# Altium PCB WP75xx 2 no usb_v.PcbDoc (part 2 of 2)
Units mil, origin at the board's own origin, x right, y up, seen from the top; angles counter-clockwise.
Board outline 1968.5 x 2755.91 mil, 2 copper layers (Top, Bottom); 120 components, 122 nets, 636 pads, 143 vias.
Unrouted connection lines stored in the file: 34.
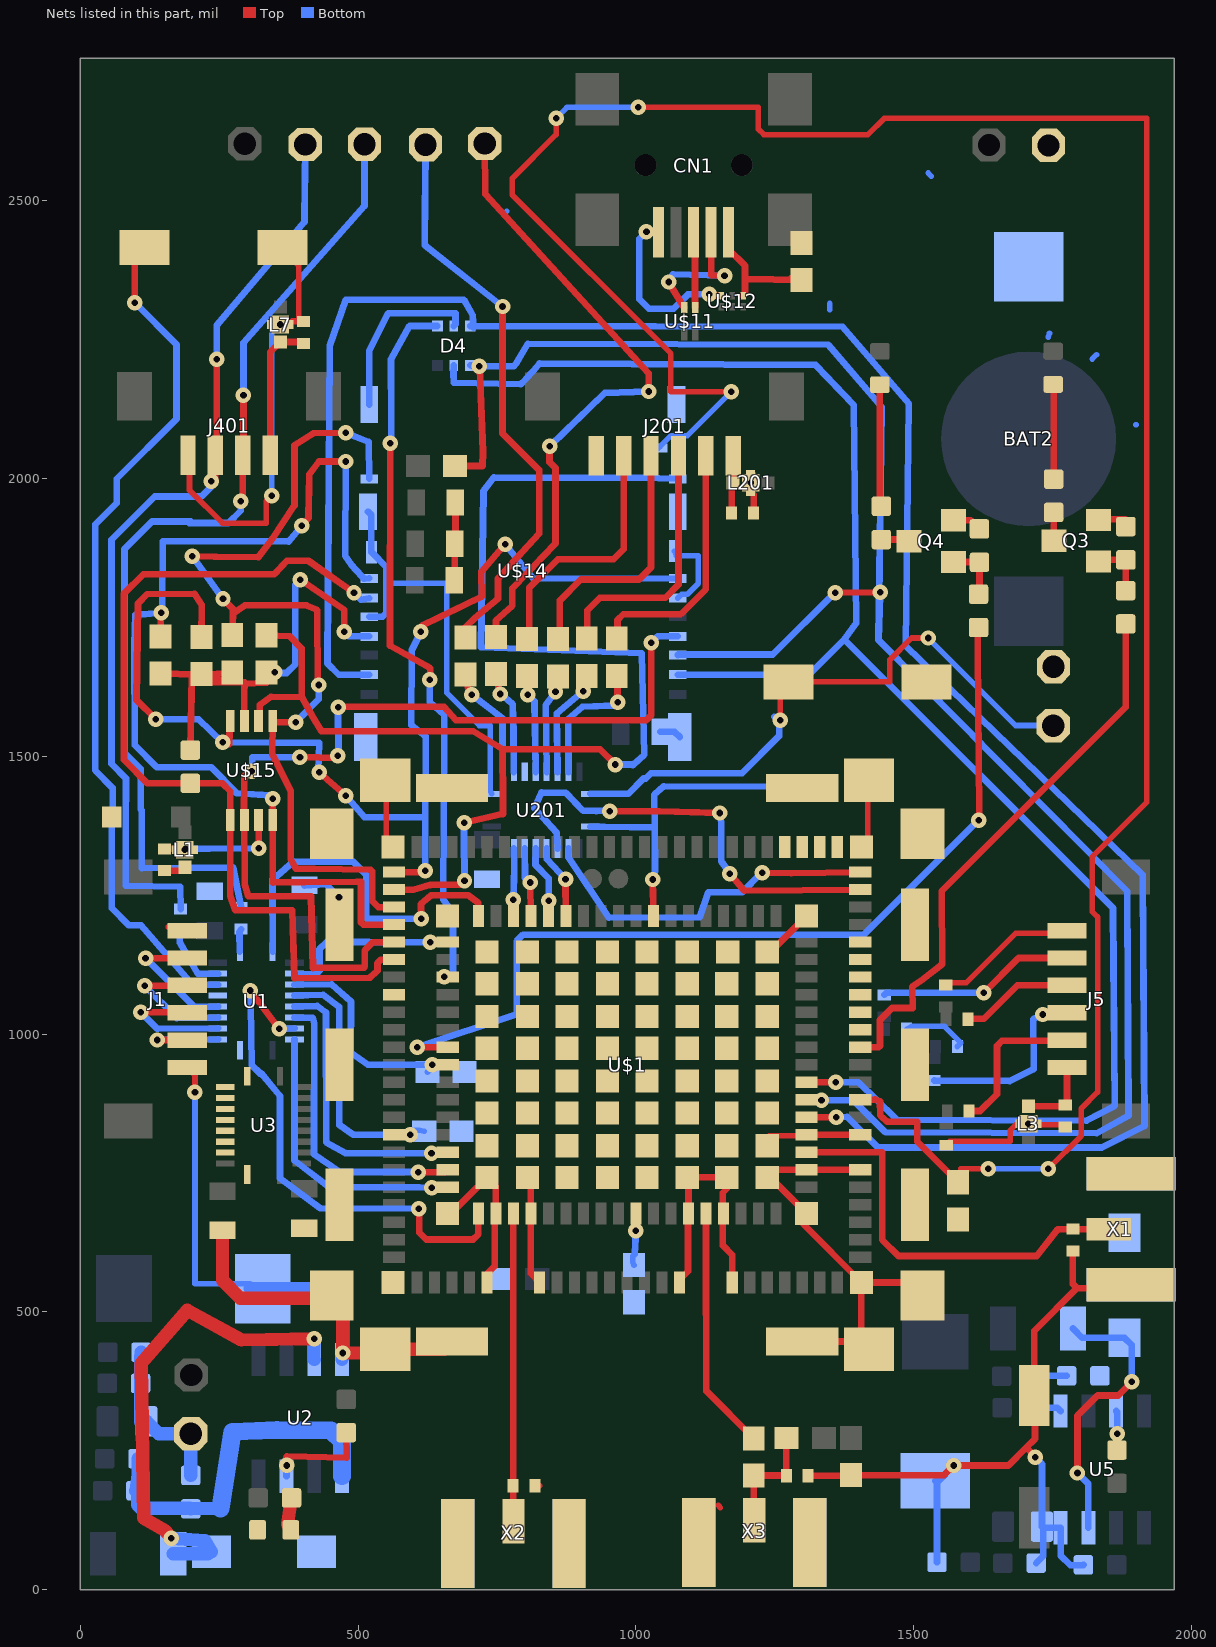
[diagram p2: the nets of this part, all layers, seen from the top]

## Via types
v1: diameter 27.81/27.81 (per signal layer), hole 11.81, Top to Bottom, 143 vias

## Nets (pads, with @x,y where several pads share a name; then routed paths per layer and width w, separated by ;. In a path a pad name is that pad's centre, name@x,y a point inside that pad or via, vN(x,y) a via of type N, cw(c..) or ccw(c..) an arc to the next point about the centre after c; other vN are vias at no path point) (continued)
GND: BAT2.PWR@1 C1.2 C3.2 C5.2 C6.2 C7.2 C8.2 C11.1 C14.- C15.- C16.1 C17.1 C18.1 C19.1 C21.2 C23.1 C24.1 C28.2 C29.2 C31.2 C32.2 C33.1 C34.1 C35.1 C38.- C39.1 C40.1 C42.1 CN1.GND D1.C D2.A D3.C D4.2 D8.A D9.A D10.A D12.A D201.C D401.A J1.6 J5.6 J201.6 J401.4 JP4.1 JP6.1 JP10.1 L1.P$3 L1.P$4 L1.P$5 L3.P$3 L3.P$4 L3.P$5 L7.P$3 L7.P$4 L7.P$5 L201.P$3 L201.P$4 L201.P$5 PWR1.- Q3.2 Q4.2 R4.P$1 R6.P$1 R8.P$1 R10.P$1 R15.2 R17.2 R23.2 R30.2 S1.2 S2.1 U1.11 U2.4 U3.11 U5.4 U201.11 U$1.P$30 U$1.P$32 U$1.P$37 U$1.P$39 U$1.P$48 U$1.P$50 U$1.P$67 U$1.P$68 U$1.P$69 U$1.P$70 U$1.P$111 U$1.P$113 U$1.P$125 U$1.P$128 U$1.P$136 U$1.P$139 U$1.P$167 U$1.P$168 U$1.P$169 U$1.P$170 U$1.P$171 U$1.P$172 U$1.P$173 U$1.P$174 U$1.P$175 U$1.P$176 U$1.P$177 U$1.P$178 U$1.P$179 U$1.P$180 U$1.P$181 U$1.P$182 U$1.P$183 U$1.P$184 U$1.P$185 U$1.P$186 U$1.P$187 U$1.P$188 U$1.P$189 U$1.P$190 U$1.P$191 U$1.P$192 U$1.P$193 U$1.P$194 U$1.P$195 U$1.P$196 U$1.P$197 U$1.P$198 U$1.P$199 U$1.P$200 U$1.P$201 U$1.P$202 U$1.P$203 U$1.P$204 U$1.P$205 U$1.P$206 U$1.P$207 U$1.P$208 U$1.P$209 U$1.P$210 U$1.P$211 U$1.P$212 U$1.P$213 U$1.P$214 U$1.P$215 U$1.P$216 U$1.P$217 U$1.P$218 U$1.P$219 U$1.P$220 U$1.P$221 U$1.P$222 U$1.P$223 U$1.P$224 U$1.P$225 U$1.P$226 U$1.P$227 U$1.P$228 U$1.P$229 U$1.P$230 U$1.P$231 U$1.P$232 U$1.P$233 U$1.P$234 U$1.P$245 U$1.P$246 U$1.P$247 U$1.P$248 U$1.P$249 U$1.P$250 U$1.P$251 U$1.P$252 U$1.P$253 U$1.P$254 U$1.P$255 U$1.P$256 U$1.P$257 U$1.P$258 U$1.P$259 U$1.P$260 U$1.P$261 U$1.P$262 U$12.P$4 U$14.C4 U$14.G1 U$14.G2 U$14.G3 U$14.G4 U$14.G5 U$14.G6 U$14.G7 U$14.G8 U$14.T6 U$15.3 X1.GND@1 X1.GND@2 X1.GND@3 X1.GND@4 X2.GND@1 X2.GND@2 X2.GND@3 X2.GND@4 X3.GND@1 X3.GND@2 X3.GND@3 X3.GND@4 | length 9267.4
  Top w10: L1.P$5@186.71,1332.72 187.01,1328.74 L1.P$5@188.54,1331.69 ; J1.6@192.91,939.96 196.85,935.04 206.69,925.2 v1(206.69,895.67) ; J401.4@194.21,2041.26 196.85,2037.4 196.85,1978.35 255.91,1919.29 334.65,1919.29 334.65,1958.66 v1(344.49,1968.5) ; L7.P$3@344.53,2276.61 344.49,2273.62 354.33,2273.62 L7.P$5@360.28,2276.61 364.17,2273.62 374.02,2273.62 L7.P$4@376.03,2276.61 ; S2.1@364.02,2415.32 364.17,2411.42 393.7,2381.89 393.7,2283.46 D401.A@401.89,2282.17 ; U$1.P$257@549.21,1456.69 551.18,1456.69 551.18,1348.43 U$1.P$167@562.99,1336.61 ; D3.C@818.51,187.36 D3.C@826.77,187.01 ; 1148.51,152.06 1151.57,147.64 ; L201.P$5@1206.34,1991.65 1210.63,1998.03 1210.63,2007.87 L201.P$3@1206.34,2007.4 ; U$1.P$186@1236.22,799.21 1240.16,807.09 1240.16,816.93 1299.21,816.93 U$1.P$30@1307.08,818.9 ; U$1.P$168@1405.51,1336.61 1417.32,1348.43 1417.32,1456.69 U$1.P$256@1419.29,1456.69 ; R8.P$1@1557.36,1088.15 1564.96,1092.52 1594.49,1092.52 1683.07,1181.1 1771.65,1181.1 J5.6@1775.59,1186.02 ; R10.P$1@1558.35,799.96 1564.96,807.09 1673.23,807.09 1673.23,826.77 1683.07,836.61 L3.P$4@1690.43,838.74 1692.91,836.61 1702.76,836.61 L3.P$5@1706.18,838.74 1712.6,836.61 L3.P$3@1722.44,836.61 ; L3.P$3@1721.93,838.74 L3.P$3@1722.44,836.61 ; D9.A@1772.32,833.11 1771.65,836.61 L3.P$3@1722.44,836.61
  Top w12: D10.A@151.61,1333.31 189.84,1332.95 186.71,1332.72 L1.P$3@172.79,1331.69 ; v1(189.61,1332.95) 182.36,1333.7 L1.P$4@204.29,1331.69 ; J401.4@194.21,2041.26 J401.4@196.26,2043.31 ; U$15.3@321.14,1385.2 321.14,1334.29 v1(321.26,1334.17) ; L7.P$4@376.03,2276.61 381.57,2282.17 D401.A@401.89,2282.17 ; v1(465.75,1246.06) 465.75,1197.64 U$1.P$252@466.53,1196.85 ; U$1.P$70@661.42,677.16 667.32,677.17 U$1.P$178@732.28,742.12 748.03,726.38 U$1.P$50@748.03,677.16 746.06,675.2 746.06,582.68 732.28,568.9 U$1.P$139@732.28,553.15 ; C6.2@673.07,1816.46 674.13,1817.52 C5.2@674.13,1882.05 675.35,1883.27 C7.2@675.35,1956.38 ; U$1.P$179@805.12,742.12 811.02,736.22 U$1.P$48@811.02,677.16 811.02,568.9 U$1.P$136@826.77,553.15 ; v1(1018.98,2443.46) 1040.04,2443.46 CN1.GND@1040.79,2442.72 ; U$1.P$128@1078.74,553.15 1078.74,558.27 1093.7,573.23 1093.7,676.38 U$1.P$39@1094.49,677.16 1094.49,740.16 U$1.P$183@1092.52,742.12 U$1.P$184@1163.38,742.12 1163.39,721.65 1156.3,714.57 1156.3,678.35 U$1.P$37@1157.48,677.16 1156.42,676.1 1156.42,619.53 1173.23,602.72 U$1.P$125@1173.23,553.15 ; v1(1131.77,2330.75) 1134.45,2328.07 U$12.P$4@1153.46,2328.07 ; L201.P$4@1206.34,1975.9 1211.69,1970.55 D8.A@1211.7,1937.32 ; U$1.P$192@1236.22,1147.64 1242.13,1147.64 U$1.P$68@1307.08,1212.6 ; U$1.P$248@1299.21,446.85 U$1.P$261@1405.51,446.85 ; U$1.P$30@1307.08,818.9 U$1.P$111@1403.54,818.9 ; D201.C@1309.97,205.32 1385.51,205.32 C3.2@1386.73,206.54 1554.37,206.54 v1(1571.65,223.82) 1670.08,223.82 1702.17,255.91 ; U$1.P$113@1403.54,755.9 U$1.P$32@1307.08,755.9 1250,755.91 U$1.P$185@1236.22,742.12 1242.13,742.13 U$1.P$69@1307.08,677.16 1301.97,672.05 1301.97,657.09 1405.51,553.54 U$1.P$169@1405.51,553.15 ; U$1.P$261@1419.29,433.07 U$1.P$261@1405.51,446.85 ; U$1.P$245@1501.97,1196.85 U$1.P$245@1512.8,1186.02 ; U$1.P$262@1515.75,529.53 1492.13,553.15 U$1.P$169@1405.51,553.15 ; Q4.2@1571.1,1924.25 1602.6,1924.25 R17.2@1618.07,1908.78 ; v1(1718.46,238.31) 1718.46,239.61 1702.17,255.91 ; D1.C@1786.14,609.56 1786.14,550.43 1793.62,542.95 ; Q3.2@1831.81,1925.04 1833.19,1926.42 1880.39,1926.42 1881.46,1925.35 R15.2@1881.46,1913.11 ; 1890.87,548.9 1884.92,542.95 1793.62,542.95 ; U$1.P$261@1405.51,446.85 U$1.P$169@1405.51,553.15 ; 1702.17,255.91 1717.95,271.69 1717.95,348.46 C14.-@1716.69,349.72 1716.69,466.02 1793.62,542.95
  Top w24: C32.2@256.3,646.65 256.3,556.69 288.33,524.67 U$1.P$259@457.62,524.67 ; U$1.P$259@452.75,529.53 U$1.P$259@457.62,524.67 ; U$1.P$249@669.29,446.85 655.51,433.07 U$1.P$260@549.21,433.07 542.36,426.22 v1(472.64,426.22) 472.64,509.65 U$1.P$259@457.62,524.67
  Bottom w10: v1(206.69,895.67) 206.69,551.18 305.12,551.18 C15.-@328.94,542.13 ; v1(344.49,1968.5) 344.49,2263.78 354.33,2273.62 L7.P$5@360.28,2276.61 ; 551.06,1811.02 659.45,1811.02 659.45,1614.17 718.5,1555.12 738.19,1555.12 738.19,1437.01 U201.11@740.94,1432.24 ; 766.1,2478.54 767.72,2480.32 ; U$14.G2@1069.29,1869.02 1072.83,1860.24 1112.2,1860.24 1112.2,1811.02 1092.52,1791.34 1082.68,1791.34 U$14.T6@1075.19,1784.37 ; 1348.43,2303.15 1348.45,2314.38 ; R6.P$1@1487.01,1008.66 1496.06,1013.78 1555.12,1013.78 1584.65,984.25 R4.P$1@1578.43,977.64 ; 1525.59,2549.21 1531.61,2543.19 ; 1742.13,2253.94 1744.06,2261.14 ; 1820.87,2214.57 1828.64,2222.34 ; 1899.61,2096.46 1899.94,2096.38
  Bottom w12: v1(189.61,1332.95) 231.85,1333.43 v1(321.26,1334.17) ; C28.2@403.82,1267.4 442.36,1269.45 v1(465.75,1246.06) ; U$14.G6@518.11,1939.89 524.02,1933.98 U$14.G7@524.01,1867.05 551.06,1840 551.06,1811.02 551.06,1757.87 544.09,1750.91 U$14.C4@520.07,1750.91 ; U$14.G5@520.07,2132.8 520.08,2228.98 554.25,2297.05 675.43,2297.05 675.43,2277.09 D4.2@672.36,2274.01 ; v1(1018.98,2443.46) 1006.02,2430.51 1006.02,2322.24 1023.11,2305.16 1068.03,2305.16 1093.62,2330.75 v1(1131.77,2330.75) ; C8.2@1043.54,1543.78 1069.72,1543.78 U$14.G1@1079.13,1534.37 ; C42.1@1541.65,49.76 1541.65,192.87 C38.-@1538.27,196.26 1544.09,196.26 v1(1571.65,223.82) ; v1(1718.46,238.31) 1730.55,226.22 C39.1@1730.55,113.82 C39.1@1732.56,111.81 ; C40.1@1720.12,48.15 1732.56,60.59 C39.1@1732.56,111.81 ; C18.1@1805.12,45 1804.41,44.29 1781.61,44.29 1764.02,61.89 U5.4@1764.02,111.81 C39.1@1732.56,111.81
  Bottom w24: C24.1@112.01,425.39 C24.1@109.8,427.6 108.78,418.62 C17.1@108.78,371.46 108.78,302.4 C16.1@119.33,303.19 141.38,281.14 JP6.1@199.17,281.14 199.06,281.02 R23.2@199.06,205.91 ; C15.-@305.79,542.13 C15.-@328.94,542.13 427.8,542.13 472.64,497.28 v1(472.64,426.22) 471.26,424.84 U2.4@471.26,414.41
GPS_ANT: C2.1 U$1.P$38 | length 440.2
  Top w12: U$1.P$38@1125.98,677.16 1125.98,496.06 1126.77,495.28 1126.77,357.91 C2.1@1212.05,272.63
GPS_SYNC: C23.2 U$1.P$42 | length 95
  Top w12: v1(1000,646.46) U$1.P$42@1000,677.16
  Bottom w10: C23.2@996.57,584.44 994.09,590.55 994.09,600.39 C23.2@997.87,603.62
  Bottom w12: C23.2@997.87,603.62 v1(1000,646.46)
MAIN_ANT: D3.A U$1.P$49 X2.P | length 555
  Top w12: 779.13,504.33 779.53,504.72 ; X2.P@779.53,123.11 779.13,123.5 D3.A@779.13,187.36 779.53,187.76 779.53,504.72 ; U$1.P$49@779.53,677.16 779.53,504.72
N$1: D9.C J5.1 L3.P$2 | length 135.9
  Top w12: L3.P$2@1706.18,870.24 1770.08,870.24 D9.C@1772.32,872.49 1775.59,875.75 J5.1@1775.59,939.96
N$3: U$1.P$159
N$4: U3.20
N$5: CN1.D+ U$11.3 | length 136.5
  Top w12: CN1.D+@1103.78,2442.72 1106.42,2440.08 U$11.3@1106.41,2307.29
N$6: D5.A R24.2 RPUD0.2 RPUD1.2 RPUD2.2 RPUD3.2 U$14.T4 U$15.7 | length 977.6
  Top w12: RPUD3.2@144.88,1648.71 208.7,1647.05 RPUD0.2@218.39,1647.6 223.86,1635.28 RPUD0.2@212.2,1633.35 ; R24.2@198.43,1510.98 201.38,1646.42 RPUD0.2@212.2,1633.35 ; RPUD2.2@273.82,1650.71 226.38,1646.38 RPUD2.2@262.95,1633.04 ; U$15.7@295.56,1563.35 295.55,1610.83 ; v1(350.28,1651.3) 347.91,1648.94 RPUD1.2@335.59,1650.6 335.35,1631.89 295.39,1630.43 295.39,1610.98 295.55,1610.83 ; v1(396.46,1817.13) 475.24,1763.31 v1(475.24,1723.94) ; RPUD0.2@212.2,1633.35 RPUD2.2@262.95,1633.04 ; RPUD2.2@262.95,1633.04 296.42,1632.83 295.55,1610.83
  Bottom w12: v1@350.28,1659.69 v1(350.28,1651.3) 351.85,1649.72 371.54,1649.72 387.28,1665.47 387.28,1807.95 389.96,1813.82 v1(396.46,1817.13) ; v1(475.24,1723.94) 483.7,1715.47 U$14.T4@520.07,1715.48
N$7: C2.2 D201.A L5.2 X3.P | length 207.2
  Top w12: X3.P@1213.03,125.67 1212.05,126.65 C2.2@1212.05,205.71 1270.2,205.71 D201.A@1270.59,205.32 1270.59,272.68 L5.2@1271.11,273.19
N$9: U3.18
N$11: J401.2 JP12.1 R404.P$2 | length 1813.5
  Top w12: v1(288.98,1958.9) 292.64,1962.56 J401.2@292.64,2041.26 293.94,2042.56 v1(293.94,2149.21)
  Bottom w12: 198.9,1922.17 193.74,1922.17 ; v1(288.98,1958.9) 288.98,1941.46 267.05,1919.53 196.38,1919.53 193.74,1922.17 ; R404.P$2@289.65,1228.19 275.08,1299.65 110.67,1298.5 110.67,1402.52 108.98,1404.21 108.98,1477.01 79.76,1506.22 79.76,1872.6 129.33,1922.17 193.74,1922.17 ; v1(293.94,2149.21) 293.94,2243.86 511.77,2489.96 JP12.1@511.77,2601.02
N$12: U3.17
N$13: R24.1 U$1.P$161 U$14.T3 U$15.1 | length 1643.9
  Top w12: v1(492.76,1793.9) 411.42,1851.1 390.24,1851.85 371.89,1851.61 349.57,1827.72 113.58,1827.05 78.9,1792.36 78.9,1493.46 121.38,1450.98 R24.1@198.43,1450.98 256.06,1450.98 270.16,1436.89 270.16,1385.39 U$15.1@269.96,1385.2 270.35,1249.06 279.21,1222.6 381.73,1222.6 385.71,1100.51 521.5,1101.46 534.92,1113.74 534.92,1127.6 541.18,1133.86 U$1.P$161@564.96,1133.86
  Bottom w12: v1(492.76,1793.9) 505,1781.65 U$14.T3@520.07,1784.37
N$14: U$1.P$162 U$14.T5 U$15.2 | length 1701.7
  Top w12: v1(309.13,1472.87) 300.87,1470.79 295.35,1465.28 294.88,1385.87 U$15.2@295.56,1385.2 296.06,1269.13 302.48,1247.87 415.35,1247.87 419.02,1118.98 510.71,1119.45 511.85,1122.4 511.85,1150.08 527.13,1165.35 U$1.P$162@564.96,1165.35 ; v1(395.59,1498.35) 464.17,1496.69 v1(463.35,1500.79) ; v1(464.09,1588.03) 464.09,1589.41 654.84,1588.98 676.18,1564.76 1018.78,1564.76 1027.83,1573.82 v1(1027.83,1704.33)
  Bottom w12: v1(309.13,1472.87) 309.8,1498.31 v1(395.59,1498.35) ; v1(463.35,1500.79) 460.67,1497.01 464.88,1505.75 464.09,1577.44 v1(464.09,1588.03) ; v1(1027.83,1704.33) 1038.98,1715.47 U$14.T5@1075.19,1715.48
N$15: RPUD3.1 U$1.P$163 U$14.T2 U$15.4 | length 1856.2
  Top w12: RPUD3.1@144.88,1715.63 144.88,1741.73 v1(146.22,1758.11) ; v1(346.81,1423.7) 347.68,1386.14 U$15.4@346.74,1385.2 346.34,1272.8 375.94,1272.95 403.5,1273.03 497.87,1274.02 505.51,1274.06 505.51,1200.83 509.49,1196.85 U$1.P$163@564.96,1196.85 ; v1(399.06,1914.33) 410.83,1928.54 412.2,2006.93 429.88,2030.08 v1(478.15,2030.12)
  Bottom w12: v1(346.81,1423.7) 344.33,1429.21 282.2,1433.07 235.43,1480.28 137.8,1480.28 98.27,1520.04 97.2,1701.02 99.21,1753.9 v1(146.22,1758.11) 147.64,1759.02 148.5,1886.57 375.2,1886.06 v1(399.06,1914.33) ; v1(478.15,2030.12) 477.68,2023.66 477.2,1860.47 487.56,1844.8 506.93,1823.31 510.83,1819.41 U$14.T2@520.07,1819.81
N$16: RPUD2.1 U$1.P$164 U$14.T1 U$15.5 | length 1651.8
  Top w12: v1(201.5,1859.8) 241.42,1858.86 244.65,1858.94 320.87,1857.95 345.39,1890.83 385.63,1950.75 385.63,2059.17 419.88,2081.1 v1(477.72,2082.01) ; v1@258.91,1781.01 v1(257.09,1782.83) 275.2,1764.72 275.2,1756.69 ; RPUD2.1@273.82,1717.63 275.2,1756.69 ; v1(387.68,1560.83) 349.25,1560.83 U$15.5@346.74,1563.35 345.87,1503.62 379.06,1435.79 378.94,1314.53 388.58,1297.44 420.83,1297.48 522.76,1295.39 525.55,1292.6 525.55,1239.33 536.54,1228.35 U$1.P$164@564.96,1228.35 ; v1(429.17,1628.07) 427.52,1629.72 426.81,1762.72 407.6,1771.3 296.26,1771.02 275.2,1756.69
  Bottom w12: v1(201.5,1859.8) 251.61,1791.14 v1(257.09,1782.83) ; v1(387.68,1560.83) 429.17,1602.32 v1(429.17,1628.07) ; v1(477.72,2082.01) 519.17,2065.16 U$14.T1@520.07,1998.94
N$17: CN1.D- U$11.4 | length 263.8
  Top w12: v1(1058.7,2353.07) 1085.67,2308.35 U$11.4@1086.73,2307.29 ; CN1.D-@1135.28,2442.72 1135.32,2365.39 v1(1159.41,2364.49)
  Bottom w12: v1(1058.7,2353.07) 1066.65,2366.73 v1(1159.41,2364.49)
N$18: U3.16
N$19: RPUD1.1 U$1.P$165 U$14.T8 U$15.6 | length 2495.9
  Top w12: U$15.6@321.14,1563.35 322.8,1565 323.5,1592.17 343.43,1607.17 399.21,1606.18 ; RPUD1.1@335.59,1717.52 376.65,1715.87 398.5,1694.02 398.5,1606.89 399.21,1606.18 ; U$1.P$165@564.96,1259.84 599.61,1259.84 629.92,1268.35 694.49,1269.25 v1(691.61,1275.59) ; v1(691.06,1380.08) 760.79,1395.98 760.79,1414.49 760.28,1512.4 ; v1(962.95,1484.96) 935.51,1512.4 760.28,1512.4 ; 399.21,1606.18 418.98,1569.92 434.13,1544.92 707.17,1544.76 760.28,1512.4
  Bottom w12: v1(691.06,1380.08) 690.55,1356.81 v1(691.61,1275.59) ; v1(962.95,1484.96) 995.59,1484.96 ; 994.09,1483.46 995.59,1484.96 ; U$14.T8@1075.19,1998.94 1041.02,1999.76 1026.46,2000.75 744.37,2001.42 725.71,1976.65 721.34,1695.91 1010.75,1685.04 1014.69,1502.48 995.59,1484.96
N$20: RPUD0.1 U$1.P$166 U$14.T7 U$15.8 | length 2153.9
  Top w12: v1(136.3,1566.42) 101.61,1601.1 104.09,1774.8 120.83,1791.54 205.83,1792.24 218.94,1772.2 RPUD0.1@218.39,1714.52 ; v1(256.73,1524.84) 267.91,1521.26 U$15.8@269.96,1563.35 ; v1(430.32,1470.67) 444.88,1457.91 v1(478.15,1429.17) ; U$1.P$166@564.96,1291.34 618.39,1291.34 v1(621.22,1294.17) ; v1(612.99,1723.82) 615.59,1735.43 722.83,1787.17 722.01,1831.54 v1(764.65,1881.02)
  Bottom w12: v1(136.3,1566.42) 213.03,1566.42 v1(256.73,1524.84) 430.35,1523.7 428.23,1473.07 436.38,1467.52 v1(430.32,1470.67) ; v1(478.15,1429.17) 511.57,1390.28 616.02,1390.28 621.22,1387.28 ; v1(612.99,1723.82) 596.65,1690.39 595.67,1556.1 622.01,1535.35 621.22,1387.28 ; v1(621.22,1294.17) 621.22,1387.28 ; v1(764.65,1881.02) 815.71,1819.33 U$14.T7@1075.19,1819.81
N$21: U3.15
N$22: U3.14
N$23: D10.C J1.1 L1.P$2 | length 76.2
  Top w12: D10.C@151.61,1293.93 183.82,1293.94 L1.P$2@188.54,1300.19 ; J1.1@159.61,1192.72 166.46,1185.87 192.76,1185.87 J1.1@192.91,1186.02
N$25: U3.13
N$27: U3.12
N$28: J5.5 R5.P$2 | length 356.3
  Top w12: v1(1625.87,1074.21) 1688.46,1136.81 J5.5@1775.59,1136.81
  Bottom w12: R5.P$2@1446.77,1070.6 1450.39,1074.21 v1(1625.87,1074.21)
N$29: J5.3 R3.P$2 | length 342.2
  Top w12: v1(1732.17,1035.2) 1777.83,1036.14 J5.3@1775.59,1038.38
  Bottom w12: R3.P$2@1536.5,916.46 1672.44,915.51 1715.83,937.17 1714.88,1026.93 v1(1732.17,1035.2)
N$30: J5.4 R7.P$2 | length 203.7
  Top w12: R7.P$2@1597.09,1026.73 1597.72,1027.36 1625.87,1027.36 1686.1,1087.6 J5.4@1775.59,1087.6
N$31: U$1.P$92
N$32: U$1.P$93
N$33: U$1.P$94
N$34: U$1.P$95
N$35: U$1.P$100
N$36: U$1.P$101
N$37: D8.C J201.1 L201.P$2 | length 104.2
  Top w12: D8.C@1172.32,1937.32 1172.32,1989.13 L201.P$2@1174.84,1991.65 1174.84,2040.43 J201.1@1174.88,2040.48
N$38: Q3.3 R20.2 | length 50.9
  Top w12: R20.2@1751.5,1938.46 1751.81,1938.15 Q3.3@1751.81,1887.64
N$39: U$1.P$102
N$40: R22.1 U201.16 | length 180.9
  Top w12: v1(855.28,1615.63) 855.87,1642.68 R22.1@859.88,1643.54
  Bottom w12: U201.16@839.37,1471.62 837.76,1591.81 v1(855.28,1615.63)
N$41: R12.1 U201.17 | length 199.4
  Top w12: v1(905.51,1617.05) 907.09,1643.98 R12.1@911.54,1644.49
  Bottom w12: U201.17@859.06,1471.62 857.44,1576.85 v1(905.51,1617.05)
N$42: U$1.P$103
N$43: R13.1 U201.18 | length 242.6
  Top w12: R13.1@965.43,1644.45 966.97,1642.91 v1(966.97,1596.93)
  Bottom w12: U201.18@878.74,1471.62 878.07,1566.57 903.7,1588.74 960.98,1591.26 v1(966.97,1596.93)
N$44: U$1.P$104
N$45: U$1.P$105
N$46: J5.2 R9.P$2 | length 280.1
  Top w12: R9.P$2@1599.45,861.5 1619.33,861.5 1649.49,891.65 1649.49,978.86 1658.62,987.99 1774.41,987.99 J5.2@1775.59,989.17
N$47: R14.1 U201.15 | length 179.3
  Top w12: R14.1@803.94,1643.9 806.81,1642.83 v1(805.55,1610.55)
  Bottom w12: v1(805.55,1610.55) 817.44,1598.66 U201.15@819.69,1471.62
N$48: U1.6 U$1.P$54 | length 518.8
  Top w12: v1(632.2,785.55) 658.66,784.65 U$1.P$54@661.42,787.4
  Bottom w12: U1.6@385.79,1049.61 426.73,1050.55 442.32,1038.78 442.8,805.2 477.24,786.14 602.76,785.83 v1(632.2,785.55)
N$49: U1.7 U$1.P$53 | length 531.4
  Top w12: v1(608.19,751.42) 656.69,751.18 U$1.P$53@661.42,755.9
  Bottom w12: U1.7@385.79,1029.92 418.54,1029.65 421.1,1019.45 420.83,783.78 466.93,751.97 603.94,751.97 v1(608.19,751.42)
N$50: U1.9 U$1.P$52 | length 510.4
  Top w12: v1(632.56,723.62) 660.63,723.62 U$1.P$52@661.42,724.41
  Bottom w12: U1.9@385.79,990.55 385.67,772.6 448.43,724.41 610.24,724.41 v1(632.56,723.62)
N$51: U1.8 U$1.P$51 | length 957.2
  Top w12: v1(305.98,1078.35) v1(358.35,1009.29) ; v1(609.45,685.83) 610.24,685.04 610.24,642.91 622.83,630.32 707.09,630.32 716.54,639.76 U$1.P$51@716.53,677.16
  Bottom w12: v1(305.98,1078.35) 307.17,1052.36 309.09,943.82 ; 323.5,929.84 309.09,943.82 ; v1(358.35,1009.29) 372.2,1009.29 U1.8@385.79,1010.24 ; v1(609.45,685.83) 432.05,686.38 359.72,740.55 359.72,888.58 325.98,929.53 323.27,928.82 309.09,943.82
N$52: U201.8 U$1.P$3 | length 136.2
  Top w12: U$1.P$3@779.53,1212.6 779.84,1248.78 v1(779.61,1241.3)
  Bottom w12: v1(779.61,1241.3) 780.91,1300.98 U201.8@780.32,1333.82
N$53: J1.5 U1.12 | length 163.1
  Top w12: v1(138.98,989.37) 192.72,989.37 J1.5@192.91,989.17
  Bottom w12: v1(138.98,989.37) 139.21,989.61 U1.12@247.99,990.55
N$54: S2.2 U1.17 | length 1553.5
  Top w12: v1(98.46,2315.63) 98.46,2397.8 S2.2@115.98,2415.32
  Bottom w12: v1(98.46,2315.63) 173.39,2240.71 173.39,2106.65 65.83,1999.09 65.83,1955.59 27.2,1916.97 27.2,1474.45 58.62,1443.03 58.62,1406.77 57.13,1405.28 57.13,1226.3 87.76,1195.67 109.45,1195.67 202.32,1089.13 U1.17@247.99,1088.98
N$55: U1.16
N$56: J1.4 U1.13 | length 234.5
  Top w12: v1(109.45,1038.98) 192.32,1038.98 J1.4@192.91,1038.38
  Bottom w12: v1(109.45,1038.98) 139.13,1009.29 U1.13@247.99,1010.24
N$57: J1.3 U1.14 | length 232.9
  Top w12: v1(116.14,1087.01) 192.32,1087.01 J1.3@192.91,1087.6
  Bottom w12: v1(116.14,1087.01) 174.17,1028.98 U1.14@247.99,1029.92
N$58: J1.2 U1.15 | length 242
  Top w12: v1(117.72,1136.61) 192.72,1136.61 J1.2@192.91,1136.81
  Bottom w12: v1(117.72,1136.61) 205.67,1048.66 U1.15@247.99,1049.61
N$59: U201.5 U$1.P$6 | length 134.5
  Top w12: v1(873.35,1278.5) 873.74,1212.87 U$1.P$6@874.01,1212.6
  Bottom w12: U201.5@839.37,1333.82 839.76,1314.72 v1(873.35,1278.5)
N$60: U201.6 U$1.P$5 | length 130.9
  Top w12: U$1.P$5@842.52,1212.6 v1(842.8,1239.49)
  Bottom w12: U201.6@819.69,1333.82 819.37,1304.33 842.91,1280.43 843.39,1257.24 v1(842.8,1239.49)
N$61: U201.7 U$1.P$4 | length 125.8
  Top w12: v1(810.04,1272.68) 810.83,1212.8 U$1.P$4@811.02,1212.6
  Bottom w12: U201.7@800,1333.82 800.43,1280.83 v1(810.04,1272.68)
N$62: PWR1.+ R25.1 | length 59.7
  Top w12: PWR1.+@373.11,118.27 PWR1.+@379.21,108.07
  Top w24: PWR1.+@373.11,118.27 R25.1@380.39,165.51
N$63: JP7.1 S1.1 U201.20 | length 1095.3
  Top w10: v1(1259.84,1564.96) 1259.84,1614.17 1269.69,1624.02 S1.1@1274.6,1633.5 1279.53,1633.86 1456.69,1633.86 1456.69,1673.23 1496.06,1712.6 v1(1525.59,1712.6)
  Bottom w10: v1@1257.68,1562.4 v1(1259.84,1564.96) ; v1(1525.59,1712.6) 1683.07,1555.12 1742.13,1555.12 JP7.1@1750.87,1554.84
  Bottom w12: U201.20@918.11,1432.25 986.26,1432.24 1013.74,1459.72 1017.8,1459.72 1027.28,1469.21 1190.71,1469.21 1257.68,1536.18 1257.68,1562.4 v1@1249.13,1570.94
N$65: U201.14
N$67: D6.- R20.1 | length 170.8
  Top w12: D6.-@1750.55,2168.82 1751.5,2167.87 R20.1@1751.5,1998.46
N$68: Q3.1 R11.2 R15.1 | length 106.3
  Top w12: Q3.1@1831.81,1850.24 1834.69,1853.11 R15.1@1881.46,1853.11 1881.06,1852.72 R11.2@1881.06,1797.83
N$69: Q4.3 R21.2 | length 50.8
  Top w12: R21.2@1441.5,1889.69 1488.27,1889.69 Q4.3@1491.1,1886.85
N$70: D7.- R21.1 | length 219.7
  Top w12: D7.-@1438.94,2168.31 1438.94,1952.24 R21.1@1441.5,1949.69
N$71: Q4.1 R16.2 R17.1 | length 105.3
  Top w12: Q4.1@1571.1,1849.45 1617.4,1849.45 R17.1@1618.07,1848.78 1618.07,1793.15 R16.2@1616.38,1791.46
N$72: R19.1 U2.7 | length 202.3
  Top w12: v1(371.54,223.86) 366.02,218.9 371.89,240.24 479.92,237.72 R19.1@478.82,282.83
  Bottom w12: U2.7@371.26,204.41 U2.7@371.26,223.58
  Bottom w24: U2.7@371.26,223.58 v1(371.54,223.86)
N$74: D401.C J401.1 L7.P$2 | length 254.1
  Top w12: J401.1@341.85,2041.26 341.85,2226.69 L7.P$2@360.28,2245.11 399.57,2245.12 D401.C@401.89,2242.79
N$75: D12.C L9.1 U2.3 | length 899.6
  Top w24: v1(163.78,93.07) 153.58,106.02 114.33,129.33 109.8,407.36 192.91,502.95 290.35,449.61 v1(420.91,451.61)
  Bottom w24: v1(163.78,93.07) 224.37,88.31 D12.C@236.34,68.58 230,64.96 L9.1@167.4,64.96 ; v1(420.91,451.61) 420.91,414.76 U2.3@421.26,414.41
N$76: R404.P$1 U1.20 | length 41.5
  Bottom w12: U1.20@287.36,1148.03 286.93,1183.54 R404.P$1@289.65,1188.81
N$77: R405.P$1 U1.18 | length 122
  Bottom w12: R405.P$1@180.83,1185.27 179.53,1183.98 179.53,1164.17 211.65,1108.82 U1.18@247.99,1108.66
N$79: R1.1 U201.13 | length 187.9
  Top w12: R1.1@748.15,1647.48 755.24,1612.76 v1(756.18,1611.81)
  Bottom w12: v1(756.18,1611.81) 757.44,1611.81 778.58,1593.39 779.68,1542.09 U201.13@780.32,1471.62
N$80: R18.1 U201.12 | length 205
  Top w12: R18.1@693.19,1646.58 699.49,1615.83 v1(704.61,1610.71)
  Bottom w12: v1(704.61,1610.71) 759.84,1568.35 U201.12@760.63,1471.62
N$81: JP5.1 R1.2 | length 1168.7
  Top w12: JP5.1@727.83,2602.32 729.21,2511.06 1022.91,2188.62 1022.91,2174.61 v1(1022.76,2156.06) ; R1.2@748.15,1714.4 748.15,1743.86 777.76,1770.32 777.76,1802.17 855.16,1882.72 855.16,2018.43 844.53,2029.06 844.61,2029.13 v1(844.61,2057.24)
  Bottom w12: v1(844.61,2057.24) 944.09,2153.35 v1(1022.76,2156.06)
N$82: C4.2 R23.1 R28.1 U2.5 | length 652
  Bottom w24: R28.1@104.76,234.13 R28.1@104.25,235.91 104.92,213.9 C4.2@100.39,178.46 103.23,181.3 103.23,152.87 108.98,147.13 197.83,147.13 R23.1@199.06,145.91 252.56,146.57
  Bottom w32: 252.56,146.57 274.21,284.57 354.45,287.72 451.61,286.89 471.26,267.24 U2.5@471.26,204.41
N$83: R29.1 U5.7 | length 71.1
  Top w12: R29.1@1865.55,251.54 1865.55,280.51 v1(1865.79,280.75)
  Bottom w12: U5.7@1864.02,321.81 1865.79,320.04 v1(1865.79,280.75)
N$84: D2.C L4.1 U5.3 | length 517.2
  Top w12: v1(1794.41,210.35) 1794.41,313.58 1830.63,349.8 1867.68,349.8 v1(1892.09,374.21)
  Bottom w12: L4.1@1786.3,470.28 1803.07,453.5 D2.C@1879.25,453.5 1892.09,440.67 v1(1892.09,374.21) ; v1(1794.41,210.35) 1814.02,190.75 U5.3@1814.02,111.81
N$85: C36.2 R30.1 R31.1 U5.5 | length 161.9
  Bottom w12: U5.5@1764.02,321.81 1758.23,327.6 R31.1@1718.66,327.6 1718.03,328.23 C36.2@1718.03,384.45 1718.74,385.16 R30.1@1774.8,385.16
N$89: JP9.1 R18.2 | length 1039
  Top w12: R18.2@693.19,1713.5 689.88,1728.46 696.69,1735.28 710.39,1748.5 751.89,1783.27 751.89,1819.69 825.83,1900.35 825.83,2014.76 760,2080.59 v1(760,2308.98)
  Bottom w12: JP9.1@621.5,2600.2 620.12,2419.21 v1(760,2308.98)
N$90: J401.3 JP8.1 R405.P$2 | length 1668.8
  Top w12: v1(236.1,1994.49) 243.43,2001.81 J401.3@243.42,2041.26 245.91,2043.74 v1(245.91,2214.21)
  Bottom w12: R405.P$2@180.83,1224.65 179.92,1264.88 81.85,1266.81 81.85,1418.46 82.72,1419.33 82.72,1460 56.46,1486.26 56.46,1889.37 134.29,1967.2 218.19,1967.2 236.1,1985.12 v1(236.1,1994.49) ; v1(245.91,2214.21) 245.91,2274.96 403.82,2461.14 JP8.1@405.24,2600.43
POWER_SW: C34.2 U1.4 U$1.P$59 | length 402.6
  Top w12: v1(633.86,944.88) U$1.P$59@661.42,944.88
  Bottom w10: C34.2@625,931.73 629.92,935.04 C34.2@629.92,944.88
  Bottom w12: U1.4@385.79,1088.98 452.8,1089.53 487.4,1058.7 487.17,966.22 517.72,944.88 629.92,944.88 v1(633.86,944.88)
RESET: C33.2 U201.1 U$1.P$11 | length 578.7
  Top w12: v1(1030.04,1278.11) U$1.P$11@1031.49,1212.6
  Bottom w12: U201.1@918.11,1373.19 942.6,1372.76 1034.06,1371.77 ; v1(1030.04,1278.11) 1034.37,1293.9 1034.06,1371.77 ; C33.2@1271.46,1445.04 1050.24,1445.94 1033.27,1430.79 1034.06,1371.77
RF_DIV: D1.A U$1.P$31 X1.P | length 736.3
  Top w12: U$1.P$31@1307.08,787.4 1443.27,786.93 1443.27,629.72 1472.32,600.67 1721.1,600.67 1759.17,648.66 1785.87,648.66 D1.A@1786.14,648.94 1850.83,648.94 X1.P@1850.87,648.9
RX2: U201.4 U$1.P$97 | length 822.2
  Top w12: v1(953.27,1401.06) 1042.24,1400.87 v1(1150.91,1397.72) ; v1(1169.17,1288.54) 1194.96,1257.72 U$1.P$97@1403.54,1259.84
  Bottom w12: U201.4@859.06,1333.82 857.56,1362.48 817.4,1406.38 830.2,1434.57 874.02,1433.94 905.04,1401.73 928.7,1401.34 942.64,1402.32 955.63,1399.72 v1(953.27,1401.06) ; v1(1150.91,1397.72) 1153.74,1380 1153.35,1310.98 1165.32,1294.72 v1(1169.17,1288.54)
SCL: U1.1 U$1.P$1 | length 660.8
  Top w12: v1(613.62,1207.72) 614.02,1208.11 613.19,1233.74 631.61,1249.72 698.46,1249.72 716.14,1236.1 U$1.P$1@716.53,1212.6
  Bottom w12: U1.1@346.42,1148.03 346.26,1277.8 383.94,1310.43 492.13,1309.45 514.57,1287.01 514.57,1210.28 517.13,1207.72 ; 516.34,1206.93 517.13,1207.72 ; v1(613.62,1207.72) 517.13,1207.72
SD_DETECT: C21.1 U$1.P$109 U$14.SW | length 4477.8
  Top w10: v1(856.3,2647.64) 856.3,2618.11 777.56,2539.37 777.56,2509.84 1062.99,2224.41 1062.99,2155.51 v1(1171.26,2155.51) ; v1(1003.94,2667.32) 1220.47,2667.32 1220.47,2627.95 1230.32,2618.11 1417.32,2618.11 1446.85,2647.64 1919.29,2647.64 1919.29,1417.32 1820.87,1318.9 1820.87,1220.47 1830.71,1210.63 1830.71,895.67 1801.18,866.14 1801.18,816.93 v1(1742.13,757.87) ; C21.1@1579.13,733.42 1584.65,738.19 1584.65,757.87 v1(1633.86,757.87)
  Top w12: U$1.P$109@1403.54,881.89 1430.04,882.2 1439.13,879.09 1439.45,853.82 1452.44,842.2 1506.02,842.2 1506.02,806.54 C21.1@1579.13,733.42
  Bottom w10: v1(856.3,2647.64) 875.98,2667.32 v1(1003.94,2667.32) ; U$14.SW@1040.55,2054.45 1043.31,2057.09 1062.99,2076.77 1092.52,2076.77 v1(1171.26,2155.51) ; v1(1633.86,757.87) v1(1742.13,757.87)
SDA: U1.3 U$1.P$66 | length 322.9
  Top w12: v1(629.92,1165.35) U$1.P$66@661.42,1165.35
  Bottom w12: U1.3@385.79,1108.66 425.43,1107.72 430.71,1113.94 430.71,1152.76 443.7,1165.75 519.29,1165.75 519.68,1165.35 v1(629.92,1165.35)
SERIAL1_CTS: J201.3 R12.2 | length 466.3
  Top w12: R12.2@911.54,1711.41 912.56,1712.44 912.56,1762.48 934.96,1784.88 1052.72,1784.88 1076.46,1808.62 J201.3@1076.46,2040.48
SERIAL1_RTS: J201.2 R13.2 | length 474
  Top w12: R13.2@978.03,1723.98 R13.2@965.43,1711.37 966.73,1712.68 966.73,1744.84 977.32,1755.43 1080.94,1755.43 1125.67,1800.16 J201.2@1125.67,2040.48
SERIAL1_RX: J201.5 R14.2 | length 460.4
  Top w12: R14.2@803.94,1710.82 807.8,1714.69 807.8,1802.52 859.61,1854.33 959.69,1854.33 978.03,1872.68 J201.5@978.03,2040.48
SERIAL1_TX: J201.4 R22.2 | length 460.7
  Top w12: R22.2@859.88,1710.47 863.11,1713.7 863.11,1780.16 900.79,1817.83 1005.59,1817.83 1027.24,1839.49 J201.4@1027.24,2040.48
SIM_CLK: D4.5 U$1.P$27 U$14.C3 | length 3181.8
  Top w12: U$1.P$27@1307.08,913.38 v1(1359.84,913.39)
  Bottom w12: D4.5@672.36,2203.15 671.85,2188.58 672.24,2171.61 792.56,2168.94 801.69,2178.03 815.79,2193.39 826.38,2206.42 1323.5,2203.86 1392.09,2131.26 1396.14,1739.49 1374.79,1709.9 ; U$14.C3@1075.19,1646.58 1311.46,1646.57 1374.79,1709.9 ; v1(1359.84,913.39) 1400.24,913.39 1466.61,848.86 1468.78,845.87 1810.67,844.29 1861.57,870.91 1858.46,1226.89 1374.79,1709.9
SIM_DATA: D4.4 R2.2 U$1.P$28 U$14.C6 | length 3613
  Top w12: R2.2@674.64,2022.05 724.09,2022.05 724.8,2046.57 718.9,2199.24 v1(718.27,2201.21) ; U$1.P$28@1307.08,881.89 1328.74,881.89 v1(1333.86,880.71) ; v1(1358.39,1794.25) v1(1439.96,1794.65)
  Bottom w12: D4.4@701.89,2203.15 707.28,2201.5 706.97,2203.15 v1(718.27,2201.21) 779.67,2201.21 784.13,2205.98 805.51,2241.97 1345.94,2240.12 1442.44,2127.52 1436.42,1709.02 ; U$14.C6@1075.19,1682.01 1075.98,1682.8 1246.14,1682.8 1357.99,1794.65 v1(1358.39,1794.25) ; v1(1333.86,880.71) 1390.43,881.22 1449.29,823.11 1828.82,821.54 1886.22,853.31 1883.86,1257.05 1436.42,1709.02 ; v1(1439.96,1794.65) 1439.65,1790.04 1436.42,1709.02
SIM_DETECT: D4.1 U$1.P$64 | length 1310.2
  Top w12: v1(558.27,2062.8) 557.64,1698.58 630.04,1658.39 630.55,1645.04 v1(629.37,1637.68) ; v1(654.88,1103.03) U$1.P$64@661.42,1102.36
  Bottom w12: v1(558.27,2062.8) 561.1,2068.15 559.53,2067.17 560.04,2105 559.21,2213.9 592.83,2273.94 D4.1@642.83,2274.01 ; v1(629.37,1637.68) 629.09,1620.39 629.25,1597.17 647.17,1581.42 655.28,1573.78 655.24,1543.86 653.11,1241.89 670.94,1216.65 670.94,1110.24 v1(654.88,1103.03)
SIM_RST: D4.3 U$1.P$29 U$14.C2 | length 3988.5
  Top w12: U$1.P$29@1307.08,850.39 v1(1360.24,850.39)
  Bottom w12: U$14.C2@520.07,1646.58 465.39,1646.57 445.16,1666.81 449.09,2238.31 477.95,2321.26 690.43,2321.18 706.57,2293.23 707.87,2271.22 D4.3@701.89,2274.01 1371.85,2272.32 1491.02,2133.86 1485.51,1698.54 1911.73,1286.1 1915.12,834.72 1838.19,795.91 1436.14,795.91 1432.6,798.66 1380,851.18 v1(1360.24,850.39)
TX2: U201.3 U$1.P$96 | length 645.7
  Top w12: v1(1226.97,1290.43) 1279.72,1289.37 U$1.P$96@1403.54,1291.34
  Bottom w12: U201.3@878.74,1333.82 878.31,1318.54 951.26,1209.49 1114.76,1210.28 1130.2,1255.28 1130.47,1255 1191.02,1255 1226.46,1290.43 v1(1226.97,1290.43)
TX_ACTIVITY: R16.1 U$1.P$60 | length 1643.7
  Top w12: v1(606.69,976.38) U$1.P$60@661.42,976.38 ; R16.1@1616.38,1731.46 1615.04,1730.12 1615.04,1687.2 1617.48,1397.76 v1(1616.77,1385)
  Bottom w12: v1(606.69,976.38) 785.47,1035.87 785.47,1167.2 797.13,1178.86 1410.32,1178.86 1613.03,1381.57 1613.03,1383.23 v1(1616.77,1385)
USB_VBUS: C11.2 CN1.VBUS U$12.P$6 | length 249.9
  Top w12: CN1.VBUS@1166.77,2442.72 1166.77,2411.97 1196.14,2382.6 1196.14,2356.77 ; U$12.P$6@1192.84,2328.07 1196.14,2331.38 1196.14,2356.77 ; C11.2@1278.39,2359.57 C11.2@1297.6,2356.62 1197.99,2358.62 1196.14,2356.77
W_DISABLE: C35.2 U1.5 U$1.P$151 | length 491.1
  Top w12: U$1.P$151@564.96,818.9 591.54,818.7 v1(594.02,819.06)
  Bottom w10: v1(594.02,819.06) 600.39,826.77 610.24,826.77 C35.2@619.14,825.08
  Bottom w12: U1.5@385.79,1069.29 437.2,1070.47 466.5,1048.62 466.42,836.42 491.02,819.29 v1(594.02,819.06)
WAN_LED: R11.1 U$1.P$106 | length 1005.8
  Top w12: U$1.P$106@1403.54,976.38 1436.89,976.38 1439.09,978.58 1439.09,1025.2 1460.71,1046.81 1497.83,1046.81 1496.89,1084.76 1516.73,1099.09 1551.02,1125.83 1550.08,1257.05 1881.06,1588.03 R11.1@1881.06,1737.83
pads on no net: BAT2.PWR@2 CN1.GND1 CN1.GND2 CN1.GND3 CN1.GND4 CN1.ID J1.M$0 J1.M$1 J5.M$0 J5.M$1 J201.M$0 J201.M$1 J401.M$0 J401.M$1 U2.1 U2.6 U2.8 U5.1 U5.6 U5.8 U201.9 U$1.P$2 U$1.P$7 U$1.P$8 U$1.P$9 U$1.P$10 U$1.P$14 U$1.P$15 U$1.P$16 U$1.P$17 U$1.P$18 U$1.P$19 U$1.P$20 U$1.P$22 U$1.P$23 U$1.P$33 U$1.P$34 U$1.P$35 U$1.P$36 U$1.P$40 U$1.P$41 U$1.P$43 U$1.P$44 U$1.P$46 U$1.P$55 U$1.P$56 U$1.P$57 U$1.P$58 U$1.P$65 U$1.P$71 U$1.P$72 U$1.P$73 U$1.P$74 U$1.P$75 U$1.P$76 U$1.P$77 U$1.P$78 U$1.P$79 U$1.P$80 U$1.P$81 U$1.P$82 U$1.P$83 U$1.P$84 U$1.P$85 U$1.P$86 U$1.P$87 U$1.P$88 U$1.P$89 U$1.P$90 U$1.P$91 U$1.P$98 U$1.P$99 U$1.P$110 U$1.P$114 U$1.P$115 U$1.P$116 U$1.P$117 U$1.P$118 U$1.P$119 U$1.P$120 U$1.P$121 U$1.P$122 U$1.P$123 U$1.P$124 U$1.P$129 U$1.P$130 U$1.P$131 U$1.P$132 U$1.P$133 U$1.P$134 U$1.P$135 U$1.P$140 U$1.P$141 U$1.P$142 U$1.P$143 U$1.P$144 U$1.P$145 U$1.P$146 U$1.P$152 U$1.P$160 U$1.P$240 U$1.P$241 U$12.P$3 U$12.P$5 U$14.- U$14.-- U$14.C5

## Polygon pours and split planes (outlines as drawn)
GND on Top "Polygon_1_Net_GND" (solid, remove dead copper, pour order 1): 42.71,2739.95 1947.04,2739.95 1947.04,8.87 18.32,8.87 18.32,2740.74 42.71,2740.74
GND on Bottom "Polygon_2_Net_GND" (solid, remove dead copper, pour order 0): 27.37,19.5 1945.07,19.5 1945.07,2736.41 27.37,2736.41

## Keep-outs
Keep-Out Layer:
  the board outline again, w0

## Silkscreen, mask and mechanical layers (free items; w line width, h text height)
Dimension:
  the board outline again, w0
Unrouted:
  lines w0: 57.17,1390.51 198.43,1510.98 ; 151.61,1293.94 159.61,1192.72 ; 206.69,925.2 287.36,970.87 300.71,924.45 466.54,944.88 ; 231.85,1333.43 233.31,1256.85 ; 321.14,1334.29 403.82,1267.4 ; 344.49,1968.5 518.11,1939.88 ; 401.89,2282.17 520.08,2228.98 ; 403.19,650.87 427.8,542.13 ; 442.36,1269.45 452.76,1360.24 ; 472.64,509.65 562.99,553.15 ; 514.17,1534.37 549.21,1456.69 ; 659.45,1811.02 673.07,1816.46 ; 669.29,1442.91 738.19,1437.01 ; 675.43,2297.05 766.1,2478.54 ; 732.28,1147.64 661.42,1212.6 732.24,1278.39 740.94,1432.24 ; 874.69,372.2 898.43,1471.61 ; 1068.03,2305.16 1073.23,2132.8 928.82,2040.47 1075.2,1939.88 ; 1079.13,1534.37 1299.21,1442.91 1338.39,1445.04 ; 1153.46,2328.07 1297.6,2423.54 1348.45,2314.38 ; 1206.34,1975.91 1206.34,1991.65 ; 1403.54,755.91 1501.97,692.91 1558.35,799.96 ; 1487.01,1008.66 1501.97,944.88 1564.96,807.09 ; 1512.8,1186.02 1564.96,1092.52 ; 1522.64,1633.5 1751.38,1660.83 ; 1555.12,1013.78 1557.36,1088.15 ; 1618.07,1908.78 1831.81,1925.04 ; 1717.95,348.46 1834.8,385.16

## Text inside footprints (layer, text, board x,y; h text height)
X1: Top Overlay ">LABEL" at 1770.87,898.9 h62
X2: Top Overlay ">LABEL" at 1029.53,203.11 h62 r270
X3: Top Overlay ">LABEL" at 1463.03,205.67 h62 r270